# Altium PCB X3.PcbDoc (part 2 of 2)
Units mm, origin at the board's own origin, x right, y up, seen from the top; angles counter-clockwise.
Board outline 74 x 100 mm, 2 copper layers (Top Layer, Bottom Layer), stack 1.57 mm thick; 104 components, 68 nets, 474 pads, 147 vias.
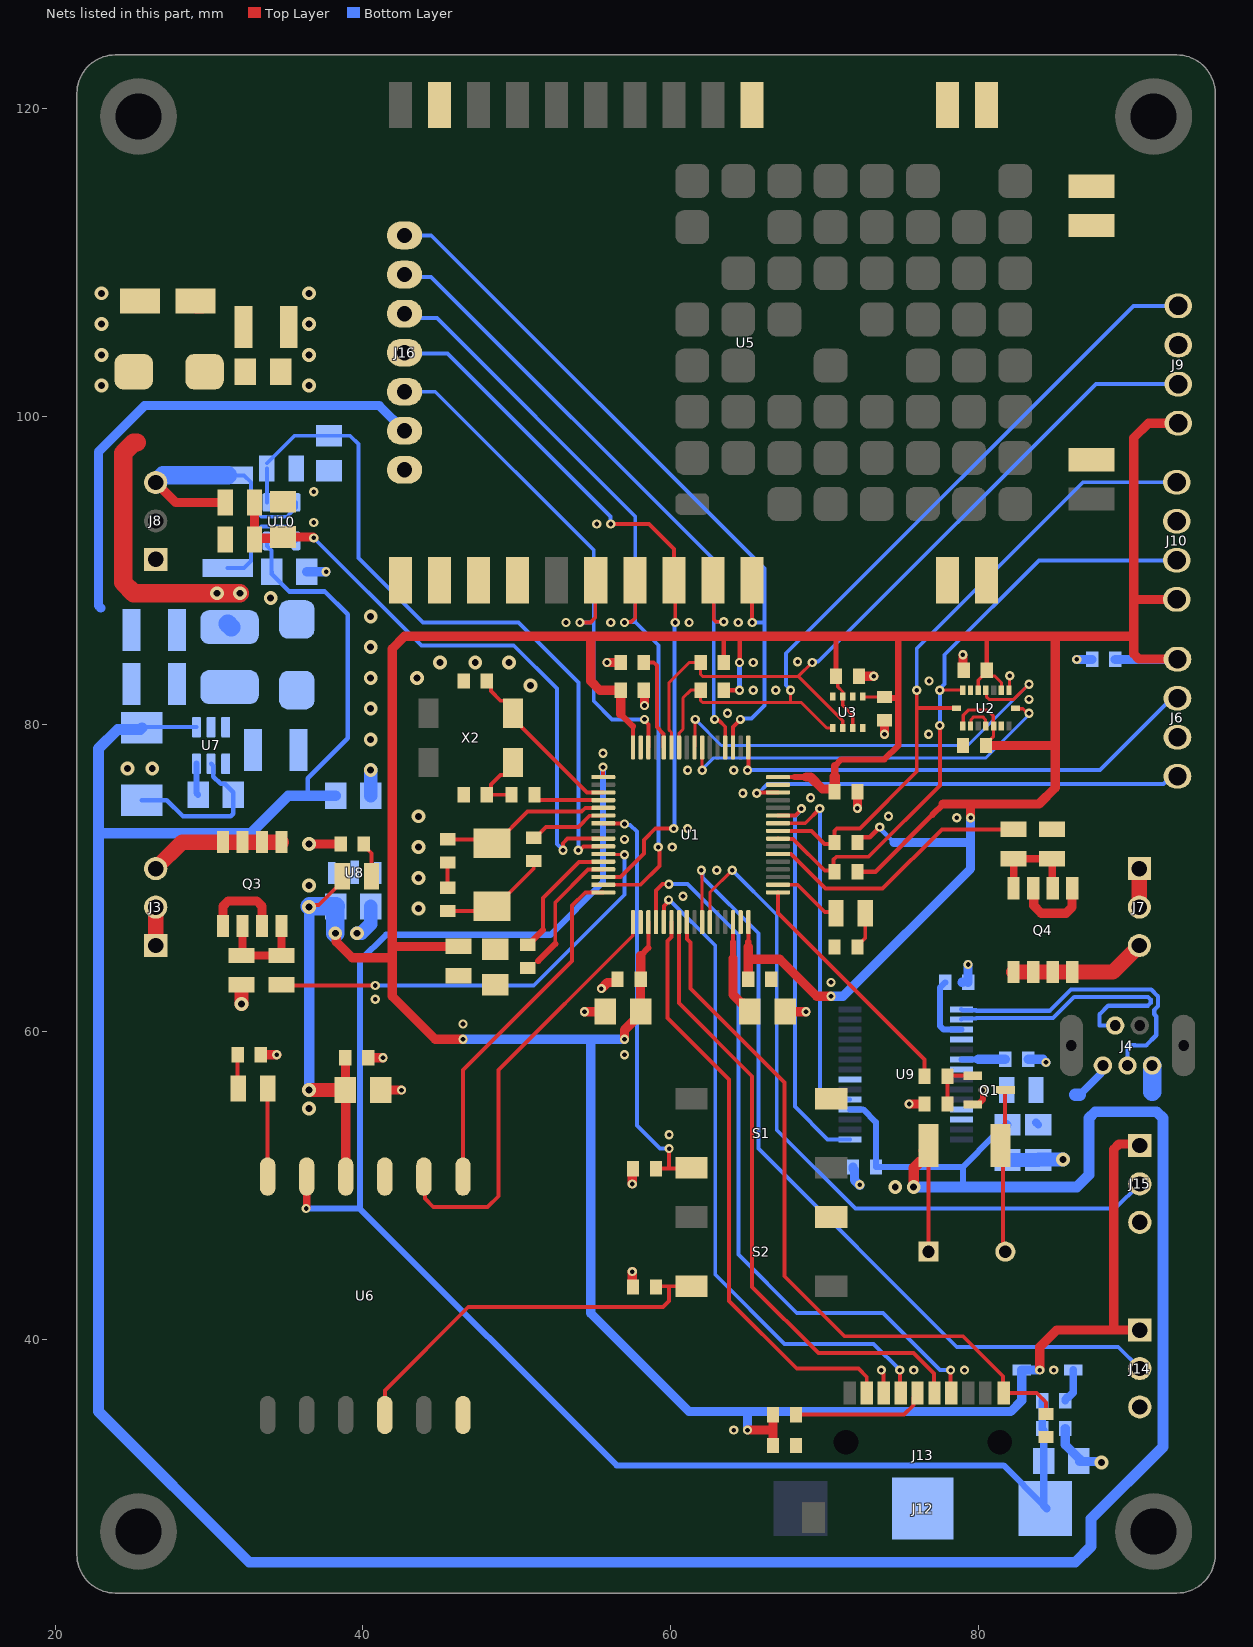
[diagram p2: the nets of this part, all layers, seen from the top]

## Part data
C1 C3 C7 C8 C9 C10 C11 C12 C13 C14 C15 C16 C24 C25 C26 C27 C28 C29 C32 C33 C34: library part "CAP 0603 50V", "Capacitor SMD 0603 50V"
C2 C19 C20 C21 C30 C31 C40 C41: library part "CAP 0805 50V", "Capacitor SMD 0805 50V"
C4 C5 C17 C22 C23 C35: library part "CAP 0805 25V", "Capacitor SMD 0805 25V"
C18: library part "CAP 1210 50V", "Capacitor SMD 1210 50V"
C36 C37 C39: library part "CAP 1210 25V", "Capacitor SMD 1210 25V"
C38: library part 865060653010, "Aluminum Electrolytic Capacitor, Polarized, Aluminum (wet), 50V, 20% +Tol, 20% -Tol, 100uF, Surface Mount, 3333", Manufacturer="Wurth Electronics", Category="Aluminum Electrolytic Capacitors", ComponentLink1Description=http://www.farnell.com/datasheets/1880078.pdf?src-supplier=Farnell, ComponentLink1URL=http://www.farnell.com/datasheets/1880078.pdf?src-supplier=Farnell, ComponentLink2Description=http://www.farnell.com/datasheets/1880078.pdf?src-supplier=Newark, ComponentLink2URL=http://www.farnell.com/datasheets/1880078.pdf?src-supplier=Newark, ComponentLink3Description=http://www.farnell.com/datasheets/1880078.pdf?src-supplier=Element14, ComponentLink3URL=http://www.farnell.com/datasheets/1880078.pdf?src-supplier=Element14, ComponentLink4Description=https://katalog.we-online.de/pbs/datasheet/865060653010.pdf?src-supplier=Digikey, ComponentLink4URL=https://katalog.we-online.de/pbs/datasheet/865060653010.pdf?src-supplier=Digikey, Manufacturer Part Number=865060653010, Pricing 1="1=0,825, 10=0,63, 50=0,551, 100=0,481, 200=0,427, 500=0,355, 2500=0,348, 5000=0,341 (EUR)", RoHS=Yes, Stock 1=176, Supplier 1=Farnell
D1: "LED 0805 BLUE SMD"
D2 D8: "TVS DIODE 14VWM 23.2VC DO214AA", Breakdown Voltage=15.6V, Case/Package=DO-214AA, Clamping Voltage=23.2V, Current=1mA, Leakage Current=1uA, Manufacturer=Littelfuse, Max Breakdown Voltage=17.2V, Max Operating Temperature=150°C, Max Power Dissipation=600W, Max Surge Current=25.9A, Min Operating Temperature=-65°C, Operating Supply Voltage=14V, Package Quantity=3000, Power Line Protection=No, Category="TVS Diodes", Clamping Voltage-Max=23.2V, ComponentLink1Description=https://datasheet.ciiva.com/331/littelfuse-tvs-diode-smbj-datasheet-pdf-331530.pdf?src-supplier=Digikey, ComponentLink1URL=https://datasheet.ciiva.com/331/littelfuse-tvs-diode-smbj-datasheet-pdf-331530.pdf?src-supplier=Digikey, ComponentLink2Description=https://datasheet.ciiva.com/331/littelfuse-tvs-diode-smbj-datasheet-pdf-331531.pdf?src-supplier=Digikey, ComponentLink2URL=https://datasheet.ciiva.com/331/littelfuse-tvs-diode-smbj-datasheet-pdf-331531.pdf?src-supplier=Digikey, ComponentLink3Description=https://datasheet.ciiva.com/331/littelfuse-tvs-diode-smbj-datasheet-pdf-331529.pdf?src-supplier=Digikey, ComponentLink3URL=https://datasheet.ciiva.com/331/littelfuse-tvs-diode-smbj-datasheet-pdf-331529.pdf?src-supplier=Digikey, Diode Type=ZENER, Direction=Bidirectional, Height=2.44mm, Lead Free="Lead Free", Length=5.59mm, Manufacturer Part Number=SMBJ14CA, Min Breakdown Voltage=15.6V, Mount="Surface Mount", Number of Bidirectional Channels=1, Number of Channels=1, Number of Elements=1, Number of Pins=2, Packaging="Tape and Reel", Peak Pulse Current=25.9A, Peak Pulse Power=600W, Polarity=Bidirectional, Power Dissipation=600W, Pricing 1="1=0,36, 15=0,29, 75=0,245, 300=0,205, 1500=0,163 (USD)", Reach SVHC Compliant=No, Reverse Breakdown Voltage=15.6V, Reverse Standoff Voltage=14V, RoHS=Yes, RoHS Compliant=Yes, Series=SMBJ, Stock 1=1300, Supplier 1="Future Electronics", Termination=SMD/SMT, Test Current=1mA, Voltage=14V, Voltage Rating (DC)=14V, Weight=0.00328oz, Width=3.94mm
D3 D4: "LED 0805 GREEN SMD"
D5: "Rectifier Diode Small Signal Schottky Si 80V 0.5A 2-Pin MELF T/R", Manufacturer=STMicroelectronics, Category="Rectifier Diodes", ComponentLink1Description=https://datasheet.ciiva.com/4715/cd00000809-92451-4715102.pdf?src-supplier=Mouser, ComponentLink1URL=https://datasheet.ciiva.com/4715/cd00000809-92451-4715102.pdf?src-supplier=Mouser, ComponentLink2Description=https://datasheet.ciiva.com/16988/0900766b80db299a-16988744.pdf?src-supplier=Allied+Electronics, ComponentLink2URL=https://datasheet.ciiva.com/16988/0900766b80db299a-16988744.pdf?src-supplier=Allied+Electronics, ComponentLink3Description=https://datasheet.ciiva.com/22697/1766334-22697011.pdf?src-supplier=Element14, ComponentLink3URL=https://datasheet.ciiva.com/22697/1766334-22697011.pdf?src-supplier=Element14, ComponentLink4Description=https://datasheet.ciiva.com/16501/cd00000809-16501349.pdf?src-supplier=Future+Electronics, ComponentLink4URL=https://datasheet.ciiva.com/16501/cd00000809-16501349.pdf?src-supplier=Future+Electronics, ComponentLink5Description=https://datasheet.ciiva.com/15144/getdatasheetpartid-39750-15144086.pdf?src-supplier=Verical, ComponentLink5URL=https://datasheet.ciiva.com/15144/getdatasheetpartid-39750-15144086.pdf?src-supplier=Verical, ComponentLink6Description=https://datasheet.ciiva.com/915/cd00000809-915819.pdf?src-supplier=Digikey, ComponentLink6URL=https://datasheet.ciiva.com/915/cd00000809-915819.pdf?src-supplier=Digikey, ComponentLink7Description=https://datasheet.ciiva.com/915/cd00000809-915820.pdf?src-supplier=Digikey, ComponentLink7URL=https://datasheet.ciiva.com/915/cd00000809-915820.pdf?src-supplier=Digikey, ComponentLink8Description=https://datasheet.ciiva.com/915/cd00000809-915821.pdf?src-supplier=Digikey, ComponentLink8URL=https://datasheet.ciiva.com/915/cd00000809-915821.pdf?src-supplier=Digikey, ComponentLink9Description=https://datasheet.ciiva.com/7622/1766334-7622348.pdf?src-supplier=Element14, ComponentLink9URL=https://datasheet.ciiva.com/7622/1766334-7622348.pdf?src-supplier=Element14, ComponentLink10Description=https://datasheet.ciiva.com/7964/cd00000809-7964118.pdf?src-supplier=Element14, ComponentLink10URL=https://datasheet.ciiva.com/7964/cd00000809-7964118.pdf?src-supplier=Element14, Manufacturer Part Number=TMBAT49FILM, Pricing 1="1=0,55, 10=0,468, 50=0,468, 100=0,326, 1000=0,228, 10000=0,159 (USD)", RoHS=Yes, Stock 1=11456, Supplier 1=Mouser
D7: "Rectifier Diode, Schottky, 1 Phase, 1 Element, 1A, 40V V(RRM), Silicon", Average Rectified Current=1A, Capacitance=50pF, Case/Package=SOD-123-2, Forward Voltage=450mV, Manufacturer=Diodes, Max Forward Surge Current (Ifsm)=25A, Max Operating Temperature=125°C, Max Power Dissipation=450mW, Max Repetitive Reverse Voltage (Vrrm)=40V, Max Reverse Current=50uA, Min Operating Temperature=-65°C, Package Quantity=3000, Category="Rectifier Diodes", ComponentLink1Description=https://datasheet.ciiva.com/27092/1538419-27092484.pdf?src-supplier=Jameco, ComponentLink1URL=https://datasheet.ciiva.com/27092/1538419-27092484.pdf?src-supplier=Jameco, ComponentLink2Description=https://datasheet.ciiva.com/16303/ds30217-16303296.pdf?src-supplier=Future+Electronics, ComponentLink2URL=https://datasheet.ciiva.com/16303/ds30217-16303296.pdf?src-supplier=Future+Electronics, ComponentLink3Description=https://datasheet.ciiva.com/1177/ds30217-1177089.pdf?src-supplier=Element14, ComponentLink3URL=https://datasheet.ciiva.com/1177/ds30217-1177089.pdf?src-supplier=Element14, ComponentLink4Description=https://datasheet.ciiva.com/8303/ds30217-8303132.pdf?src-supplier=Avnet, ComponentLink4URL=https://datasheet.ciiva.com/8303/ds30217-8303132.pdf?src-supplier=Avnet, ComponentLink5Description=https://datasheet.ciiva.com/912/ds30217-912802.pdf?src-supplier=Digikey, ComponentLink5URL=https://datasheet.ciiva.com/912/ds30217-912802.pdf?src-supplier=Digikey, ComponentLink6Description=https://datasheet.ciiva.com/912/ds30217-912803.pdf?src-supplier=Digikey, ComponentLink6URL=https://datasheet.ciiva.com/912/ds30217-912803.pdf?src-supplier=Digikey, ComponentLink7Description=https://datasheet.ciiva.com/912/ds30217-912801.pdf?src-supplier=Digikey, ComponentLink7URL=https://datasheet.ciiva.com/912/ds30217-912801.pdf?src-supplier=Digikey, Current Rating=1A, Forward Current=1A, Height=1.25mm, Lead Free="Lead Free", Length=2.85mm, Manufacturer Part Number=1N5819HW-7-F, Max Reverse Voltage (DC)=40V, Number of Pins=2, Output Current=1A, Packaging="Tape and Reel", Peak Non-Repetitive Surge Current=25A, Polarity=Standard, Pricing 1="3000=0,0409, 9000=0,0394, 15000=0,0388, 60000=0,037, 90000=0,0358 (USD)", Radiation Hardening=No, Reach SVHC Compliant=No, Reverse Voltage=40V, RoHS=Yes, RoHS Compliant=Yes, Series=-, Stock 1=5079000, Supplier 1="Future Electronics", Termination=SMD/SMT, Voltage Rating (DC)=40V, Weight=0.000353oz, Width=1.7mm
F1: "PTC Resettable Fuse 0.75A(hold) 1.5A(trip) 24V 40A 0.8W 0.2s 0.11Ohm SMD Solder Pad 1812 T/R Automotive", Manufacturer=Bourns, Category=Fuses, ComponentLink1Description=https://datasheet.ciiva.com/27091/1164226-27091560.pdf?src-supplier=Jameco, ComponentLink1URL=https://datasheet.ciiva.com/27091/1164226-27091560.pdf?src-supplier=Jameco, ComponentLink2Description=https://datasheet.ciiva.com/326/mfmsmf-326789.pdf?src-supplier=Digikey, ComponentLink2URL=https://datasheet.ciiva.com/326/mfmsmf-326789.pdf?src-supplier=Digikey, ComponentLink3Description=https://datasheet.ciiva.com/326/mfmsmf-326790.pdf?src-supplier=Digikey, ComponentLink3URL=https://datasheet.ciiva.com/326/mfmsmf-326790.pdf?src-supplier=Digikey, ComponentLink4Description=https://datasheet.ciiva.com/326/mfmsmf-326791.pdf?src-supplier=Digikey, ComponentLink4URL=https://datasheet.ciiva.com/326/mfmsmf-326791.pdf?src-supplier=Digikey, ComponentLink5Description=https://datasheet.ciiva.com/3019/mfmsmf-3019624.pdf?src-supplier=Avnet, ComponentLink5URL=https://datasheet.ciiva.com/3019/mfmsmf-3019624.pdf?src-supplier=Avnet, ComponentLink6Description=https://datasheet.ciiva.com/3019/mfmsmf-3019625.pdf?src-supplier=Avnet, ComponentLink6URL=https://datasheet.ciiva.com/3019/mfmsmf-3019625.pdf?src-supplier=Avnet, ComponentLink7Description=https://datasheet.ciiva.com/30254/575mfmsmf-30254266.pdf?src-supplier=Onlinecomponents.com, ComponentLink7URL=https://datasheet.ciiva.com/30254/575mfmsmf-30254266.pdf?src-supplier=Onlinecomponents.com, ComponentLink8Description=https://datasheet.ciiva.com/16205/mfmsmf-16205996.pdf?src-supplier=Onlinecomponents.com, ComponentLink8URL=https://datasheet.ciiva.com/16205/mfmsmf-16205996.pdf?src-supplier=Onlinecomponents.com, ComponentLink9Description=https://datasheet.ciiva.com/14539/70153434-14539177.pdf?src-supplier=Allied+Electronics, ComponentLink9URL=https://datasheet.ciiva.com/14539/70153434-14539177.pdf?src-supplier=Allied+Electronics, ComponentLink10Description=https://datasheet.ciiva.com/1228/1786007-1228156.pdf?src-supplier=Newark, ComponentLink10URL=https://datasheet.ciiva.com/1228/1786007-1228156.pdf?src-supplier=Newark, ComponentLink11Description=https://datasheet.ciiva.com/1274/1786007-1274502.pdf?src-supplier=Element14, ComponentLink11URL=https://datasheet.ciiva.com/1274/1786007-1274502.pdf?src-supplier=Element14, ComponentLink12Description=https://datasheet.ciiva.com/1274/1786007-1274503.pdf?src-supplier=Element14, ComponentLink12URL=https://datasheet.ciiva.com/1274/1786007-1274503.pdf?src-supplier=Element14, Lead Free=5697LeadFree, Manufacturer Part Number=MF-MSMF075/24-2, Pricing 1="4000=0,2686 (USD)", RoHS=Yes, Stock 1=88000, Supplier 1="Arrow Electronics"
FB1 FB2: library part "FB 0805", "Ferrite Bead SMD 0805"
FB3: library part "FB 0603", "Ferrite Bead SMD 0603"
J3 J7 J8 J14 J15: "Connector Header, XH Series, 3 Position, 2.50mm, Through Hole, Press-Fit, Solder, Natural", Manufacturer=JST, Manufacturer Part Number=B3B-XH-A(LF)(SN), Category="Headers and Wire Housings", ComponentLink1Description=https://datasheet.ciiva.com/26894/getdatasheetpartid-640434-26894454.pdf?src-supplier=Verical, ComponentLink1URL=https://datasheet.ciiva.com/26894/getdatasheetpartid-640434-26894454.pdf?src-supplier=Verical, ComponentLink2Description=https://datasheet.ciiva.com/26894/getdatasheetpartid-440399-26894778.pdf?src-supplier=Verical, ComponentLink2URL=https://datasheet.ciiva.com/26894/getdatasheetpartid-440399-26894778.pdf?src-supplier=Verical, ComponentLink3Description=https://datasheet.ciiva.com/11746/0900766b8082653f-11746520.pdf?src-supplier=Rs, ComponentLink3URL=https://datasheet.ciiva.com/11746/0900766b8082653f-11746520.pdf?src-supplier=Rs, Pricing 1="1=39,94, 10=25,1, 50=21,68, 100=18,25, 500=17,57, 1000=17,12, 2000=16,44, 4000=15,79 (JPY)", RoHS=Yes, Stock 1=2101, Supplier 1=CoreStaff
J4: "Conn Mini USB 2.0 Type B RCP 5 POS 0.8mm Solder ST Thru-Hole 5 Terminal 1 Port", Manufacturer="Amphenol Commercial", Category="USB Connectors", ComponentLink1Description=http://www.alliedelec.com/m/d/e7e3d7a920045eebbdef787e60d8b001.pdf?src-supplier=Allied+Electronics, ComponentLink1URL=http://www.alliedelec.com/m/d/e7e3d7a920045eebbdef787e60d8b001.pdf?src-supplier=Allied+Electronics, ComponentLink2Description=https://www.amphenolcanada.com/ProductSearch/drawings/AC/UE25BEX510X.pdf?src-supplier=Digi-Key, ComponentLink2URL=https://www.amphenolcanada.com/ProductSearch/drawings/AC/UE25BEX510X.pdf?src-supplier=Digi-Key, ComponentLink3Description=https://datasheet.octopart.com/UE25-BE55-10H-Amphenol-datasheet-14681365.pdf?src-supplier=Future+Electronics, ComponentLink3URL=https://datasheet.octopart.com/UE25-BE55-10H-Amphenol-datasheet-14681365.pdf?src-supplier=Future+Electronics, ComponentLink4Description=https://datasheet.octopart.com/UE25BE5510H-Amphenol-Communications-Solutions-datasheet-62282189.pdf?src-supplier=Electro+Sonic, ComponentLink4URL=https://datasheet.octopart.com/UE25BE5510H-Amphenol-Communications-Solutions-datasheet-62282189.pdf?src-supplier=Electro+Sonic, Manufacturer Part Number=UE25BE5510H, Pricing 1="1=0,4693, 10=0,4507, 25=0,4468, 50=0,4303, 100=0,4157 (USD)", RoHS=Yes, Stock 1=16852, Supplier 1="Arrow Electronics", Supplier Part Number 1=UE25BE5510H
J12: "Battery Holder, Coin Cell, 1225, Smd Rohs Compliant: Yes", Manufacturer=Harwin, Category=Connectors, ComponentLink1Description=https://datasheet.ciiva.com/4/s8201r-4048.pdf?src-supplier=Digikey, ComponentLink1URL=https://datasheet.ciiva.com/4/s8201r-4048.pdf?src-supplier=Digikey, ComponentLink2Description=https://datasheet.ciiva.com/4642/c0430120-20coin20cell20battery20retainers-55143-4642583.pdf?src-supplier=Mouser, ComponentLink2URL=https://datasheet.ciiva.com/4642/c0430120-20coin20cell20battery20retainers-55143-4642583.pdf?src-supplier=Mouser, ComponentLink3Description=https://datasheet.ciiva.com/1391/1458706-1391064.pdf?src-supplier=Element14, ComponentLink3URL=https://datasheet.ciiva.com/1391/1458706-1391064.pdf?src-supplier=Element14, ComponentLink4Description=https://datasheet.ciiva.com/4/s8201r-4049.pdf?src-supplier=Digikey, ComponentLink4URL=https://datasheet.ciiva.com/4/s8201r-4049.pdf?src-supplier=Digikey, Contact Material=153,154ConductorMaterial, Height=3.25mm, Manufacturer Part Number=S8201-46R, Number of Contacts=2NUMBER, Pricing 1="1=0,926, 25=0,765, 75=0,589, 200=0,555, 500=0,48 (EUR)", RoHS=Yes, Stock 1=4494, Supplier 1=Farnell
J13: "Micro SD Card Push-Pull 10P (8+2), Switch, Peg, SMD 112I-TA01"
J16: "E220-400T30D LoRa Module Header"
L1: library part IHLP2020CZER4R7M11, "Inductor Power Shielded Wirewound 4.7uH 20% 100KHz Powdered Iron 4.5A 60mOhm DCR 2020 T/R", Manufacturer=Vishay, Category="Fixed Inductors", ComponentLink1Description=https://datasheet.ciiva.com/14803/lp20cz11-14803040.pdf?src-supplier=Arrow+Electronics, ComponentLink1URL=https://datasheet.ciiva.com/14803/lp20cz11-14803040.pdf?src-supplier=Arrow+Electronics, ComponentLink2Description=https://datasheet.ciiva.com/11798/0900766b8102c930-11798346.pdf?src-supplier=Rs, ComponentLink2URL=https://datasheet.ciiva.com/11798/0900766b8102c930-11798346.pdf?src-supplier=Rs, ComponentLink3Description=https://datasheet.ciiva.com/22694/480942-22694470.pdf?src-supplier=Element14, ComponentLink3URL=https://datasheet.ciiva.com/22694/480942-22694470.pdf?src-supplier=Element14, ComponentLink4Description=https://datasheet.ciiva.com/8017/480942-8017228.pdf?src-supplier=Element14, ComponentLink4URL=https://datasheet.ciiva.com/8017/480942-8017228.pdf?src-supplier=Element14, ComponentLink5Description=https://datasheet.ciiva.com/8494/lp20cz11-8494950.pdf?src-supplier=Avnet, ComponentLink5URL=https://datasheet.ciiva.com/8494/lp20cz11-8494950.pdf?src-supplier=Avnet, ComponentLink6Description=https://datasheet.ciiva.com/17112/70205433-17112327.pdf?src-supplier=Allied+Electronics, ComponentLink6URL=https://datasheet.ciiva.com/17112/70205433-17112327.pdf?src-supplier=Allied+Electronics, ComponentLink7Description=https://datasheet.ciiva.com/6688/lp20cz11-6688326.pdf?src-supplier=Digikey, ComponentLink7URL=https://datasheet.ciiva.com/6688/lp20cz11-6688326.pdf?src-supplier=Digikey, ComponentLink8Description=https://datasheet.ciiva.com/6688/lp20cz11-6688327.pdf?src-supplier=Digikey, ComponentLink8URL=https://datasheet.ciiva.com/6688/lp20cz11-6688327.pdf?src-supplier=Digikey, ComponentLink9Description=https://datasheet.ciiva.com/6688/lp20cz11-6688329.pdf?src-supplier=Digikey, ComponentLink9URL=https://datasheet.ciiva.com/6688/lp20cz11-6688329.pdf?src-supplier=Digikey, Manufacturer Part Number=IHLP2020CZER4R7M11, Pricing 1="1=1,19, 10=1,02, 50=1,02, 100=0,828, 1000=0,828, 10000=0,473 (USD)", RoHS=No, Stock 1=10031, Supplier 1=Mouser
Q1: "BC817 Series 45 V 500 mA NPN General Purpose Transistor - SOT-23", Manufacturer=Nexperia, Supplier Part Number 1=5067352, Category=BJTs, ComponentLink1Description=https://datasheet.octopart.com/BC817-25W%2C115-NXP-datasheet-29749.pdf?src-supplier=Future+Electronics, ComponentLink1URL=https://datasheet.octopart.com/BC817-25W%2C115-NXP-datasheet-29749.pdf?src-supplier=Future+Electronics, ComponentLink2Description=http://www.farnell.com/datasheets/699988.pdf?src-supplier=Newark, ComponentLink2URL=http://www.farnell.com/datasheets/699988.pdf?src-supplier=Newark, ComponentLink3Description=https://datasheet.octopart.com/BC817-25W%2C115-Nexperia-datasheet-155782301.pdf?src-supplier=TME, ComponentLink3URL=https://datasheet.octopart.com/BC817-25W%2C115-Nexperia-datasheet-155782301.pdf?src-supplier=TME, Manufacturer Part Number=BC817-25W,115, Pricing 1="3000=0,0169, 12000=0,0162, 45000=0,0155, 90000=0,0152, 225000=0,0144 (USD)", RoHS=Yes, Stock 1=99000, Supplier 1="Future Electronics"
Q3 Q4: "Dual N-Channel Logic Level PWM Optimized PowerTrench® MOSFET 20V, 7.5A, 18mΩ", Manufacturer="ON Semiconductor / Fairchild", Category=MOSFETs, ComponentLink1Description=https://datasheet.ciiva.com/15137/getdatasheetpartid-60185-15137252.pdf?src-supplier=Verical, ComponentLink1URL=https://datasheet.ciiva.com/15137/getdatasheetpartid-60185-15137252.pdf?src-supplier=Verical, ComponentLink2Description=https://datasheet.ciiva.com/8114/fds6892a-8114609.pdf?src-supplier=Avnet, ComponentLink2URL=https://datasheet.ciiva.com/8114/fds6892a-8114609.pdf?src-supplier=Avnet, ComponentLink3Description=https://datasheet.ciiva.com/6076/89392-6076006.pdf?src-supplier=Farnell, ComponentLink3URL=https://datasheet.ciiva.com/6076/89392-6076006.pdf?src-supplier=Farnell, ComponentLink4Description=https://datasheet.ciiva.com/4442/fds6892a-108922-4442276.pdf?src-supplier=Mouser, ComponentLink4URL=https://datasheet.ciiva.com/4442/fds6892a-108922-4442276.pdf?src-supplier=Mouser, ComponentLink5Description=https://datasheet.ciiva.com/16777/fds6892a-16777782.pdf?src-supplier=Future+Electronics, ComponentLink5URL=https://datasheet.ciiva.com/16777/fds6892a-16777782.pdf?src-supplier=Future+Electronics, ComponentLink6Description=https://datasheet.ciiva.com/6386/fds6892a-6386538.pdf?src-supplier=Digikey, ComponentLink6URL=https://datasheet.ciiva.com/6386/fds6892a-6386538.pdf?src-supplier=Digikey, Manufacturer Part Number=FDS6892A, Pricing 1="1=0,4552, 539=0,4077 (USD)", RoHS=Yes, Stock 1=45, Supplier 1="Arrow Electronics"
R1 R2 R3 R4 R5 R6 R7 R8 R9 R12 R14 R17 R23 R24 R25: library part "RES 0603", "Resistor SMD 0603"
R13: "Res, 0R1, 1%, 3W, Metal Strip, SMD Rohs Compliant: Yes", Manufacturer="TE Connectivity", Category="Chip SMD Resistors", Manufacturer Part Number=TLRP3A30DR100FTE, Pricing 1="10=0,393, 100=0,273, 500=0,221, 1000=0,179, 2000=0,177, 4000=0,166, 20000=0,163, 40000=0,159 (EUR)", RoHS=No, Stock 1=1580, Supplier 1=Farnell
R15 R16 R18 R19 R20 R21 R22: library part "RES 0805", "Resistor SMD 0805"
S1 S2: "Switch Tactile OFF (ON) SPST Round Button Gull Wing 0.05A 24VDC 1.57N SMD T/R", Manufacturer="TE Connectivity Alcoswitch", Category="Pushbutton Switches", ComponentLink1Description=https://datasheet.ciiva.com/16320/eng-cs-1308111-1-switches-core-program-catalog-0308-16320065.pdf?src-supplier=Future+Electronics, ComponentLink1URL=https://datasheet.ciiva.com/16320/eng-cs-1308111-1-switches-core-program-catalog-0308-16320065.pdf?src-supplier=Future+Electronics, ComponentLink2Description=https://datasheet.ciiva.com/1530/1683375-1530944.pdf?src-supplier=Element14, ComponentLink2URL=https://datasheet.ciiva.com/1530/1683375-1530944.pdf?src-supplier=Element14, ComponentLink3Description=https://datasheet.ciiva.com/23765/1486934-23765878.pdf?src-supplier=Newark, ComponentLink3URL=https://datasheet.ciiva.com/23765/1486934-23765878.pdf?src-supplier=Newark, ComponentLink4Description=https://datasheet.ciiva.com/7638/921681-7638037.pdf?src-supplier=Element14, ComponentLink4URL=https://datasheet.ciiva.com/7638/921681-7638037.pdf?src-supplier=Element14, Manufacturer Part Number=FSM4JSMATR, Pricing 1="1=0,36, 10=0,351, 25=0,33, 100=0,2866, 250=0,26, 500=0,24188 (USD)", RoHS=Yes, Stock 1=84996, Supplier 1=Digi-Key
U1: "ARM® Cortex®-M4 STM32 F4 Microcontroller IC 32-Bit 180MHz 512KB (512K x 8) FLASH 64-LQFP (10x10)", Manufacturer=STMicroelectronics, Category=Microcontrollers, ComponentLink1Description=http://www.mouser.com/ds/2/389/stm32f446mc-956216.pdf?src-supplier=Mouser, ComponentLink1URL=http://www.mouser.com/ds/2/389/stm32f446mc-956216.pdf?src-supplier=Mouser, ComponentLink2Description=http://www.farnell.com/datasheets/2309063.pdf?src-supplier=Farnell, ComponentLink2URL=http://www.farnell.com/datasheets/2309063.pdf?src-supplier=Farnell, ComponentLink3Description=https://datasheet.octopart.com/STM32F446RET6-STMicroelectronics-datasheet-58295083.pdf?src-supplier=Future+Electronics, ComponentLink3URL=https://datasheet.octopart.com/STM32F446RET6-STMicroelectronics-datasheet-58295083.pdf?src-supplier=Future+Electronics, ComponentLink4Description=http://www.st.com/content/ccc/resource/technical/document/datasheet/65/cb/75/50/53/d6/48/24/DM00141306.pdf/files/DM00141306.pdf/jcr:content/translations/en.DM00141306.pdf?src-supplier=Digi-Key, ComponentLink4URL=http://www.st.com/content/ccc/resource/technical/document/datasheet/65/cb/75/50/53/d6/48/24/DM00141306.pdf/files/DM00141306.pdf/jcr:content/translations/en.DM00141306.pdf?src-supplier=Digi-Key, ComponentLink5Description=http://www.farnell.com/datasheets/2309063.pdf?src-supplier=Element14, ComponentLink5URL=http://www.farnell.com/datasheets/2309063.pdf?src-supplier=Element14, ComponentLink6Description=https://datasheet.octopart.com/STM32F446RET6-STMicroelectronics-datasheet-41797127.pdf?src-supplier=Element14, ComponentLink6URL=https://datasheet.octopart.com/STM32F446RET6-STMicroelectronics-datasheet-41797127.pdf?src-supplier=Element14, ComponentLink7Description=http://www.farnell.com/datasheets/2309063.pdf?src-supplier=Newark, ComponentLink7URL=http://www.farnell.com/datasheets/2309063.pdf?src-supplier=Newark, ComponentLink8Description=https://datasheet.octopart.com/STM32F446RET6-STMicroelectronics-datasheet-83961502.pdf?src-supplier=SHENGYU+ELECTRONICS, ComponentLink8URL=https://datasheet.octopart.com/STM32F446RET6-STMicroelectronics-datasheet-83961502.pdf?src-supplier=SHENGYU+ELECTRONICS, Manufacturer Part Number=STM32F446RET6, Pricing 1="1=12,45, 10=11,25, 50=10,54, 100=9,5, 1000=6,72, 10000=6,72 (USD)", RoHS=Yes, Stock 1=2954, Supplier 1=Mouser
U2: "BMI088 Series 3.6 V 6 Axis Digital Output Accelerometer Motion Sensor - LGA-16", Manufacturer="Bosch Tools", Category="Inertial Measurement Units (IMUs)", ComponentLink1Description=https://ae-bst.resource.bosch.com/media/_tech/media/product_flyer/Bosch_Sensortec_Product_flyer_BMI088.pdf?src-supplier=Digi-Key, ComponentLink1URL=https://ae-bst.resource.bosch.com/media/_tech/media/product_flyer/Bosch_Sensortec_Product_flyer_BMI088.pdf?src-supplier=Digi-Key, ComponentLink2Description=https://ae-bst.resource.bosch.com/media/_tech/media/application_notes/BST-MIS-HS001.pdf?src-supplier=Digi-Key, ComponentLink2URL=https://ae-bst.resource.bosch.com/media/_tech/media/application_notes/BST-MIS-HS001.pdf?src-supplier=Digi-Key, Manufacturer Part Number=BMI088, Pricing 1="1=3,4884, 10=3,3155, 25=3,2816, 50=3,2477, 100=3,2147, 500=3,1828 (USD)", RoHS=No, Stock 1=2228, Supplier 1="Arrow Electronics"
U3: "SENSOR PRESSURE HUMIDITY TEMP", Case/Package=LGA, Manufacturer=Bosch, Max Operating Temperature=85°C, Min Operating Temperature=-40°C, Accuracy=3%, Category="Temperature and Humidity Sensors", ComponentLink1Description=https://ae-bst.resource.bosch.com/media/_tech/media/datasheets/BST-BME280-DS002.pdf?src-supplier=Digi-Key, ComponentLink1URL=https://ae-bst.resource.bosch.com/media/_tech/media/datasheets/BST-BME280-DS002.pdf?src-supplier=Digi-Key, ComponentLink2Description=https://ae-bst.resource.bosch.com/media/_tech/media/product_flyer/BME280_Productflyer_BST_20170109.pdf?src-supplier=Mouser, ComponentLink2URL=https://ae-bst.resource.bosch.com/media/_tech/media/product_flyer/BME280_Productflyer_BST_20170109.pdf?src-supplier=Mouser, ComponentLink3Description=https://ae-bst.resource.bosch.com/media/_tech/media/product_flyer/BME280_Productflyer_BST_20170109.pdf?src-supplier=Arrow+Electronics, ComponentLink3URL=https://ae-bst.resource.bosch.com/media/_tech/media/product_flyer/BME280_Productflyer_BST_20170109.pdf?src-supplier=Arrow+Electronics, ComponentLink4Description=https://ae-bst.resource.bosch.com/media/_tech/media/product_flyer/BME280_Productflyer_BST_20170109.pdf?src-supplier=NAC+Semi, ComponentLink4URL=https://ae-bst.resource.bosch.com/media/_tech/media/product_flyer/BME280_Productflyer_BST_20170109.pdf?src-supplier=NAC+Semi, Lead Free="Lead Free", Manufacturer Part Number=BME280, Mount="Surface Mount", Number of Pins=8, Output Type=SPI,I2C, Packaging="Cut Tape", Pricing 1="1=6,1, 20=5,53, 150=5,14, 1000=4,78, 5000=4,48 (USD)", Response Time=1s, RoHS=No, Sensor Type=Temperature, Stock 1=5185, Supplier 1="Future Electronics"
U4: "BUZZER MAGNETIC WITH CIRCUIT 3V 2.7-KHZ THT"
U5: "E22-400T37S LoRa Module"
U7: "AP63205 Series 32 V 2 A 1.1 MHz Synchronous Buck Converter -TSOT-26", Manufacturer=Diodes, Max Operating Temperature=85°C, Max Supply Voltage=32V, Min Operating Temperature=-40°C, Min Supply Voltage=3.8V, Nominal Supply Current=22uA, Output Current=2A, Output Voltage=5V, Switching Frequency=1.1MHz, Category="Voltage Regulators - Switching", ComponentLink1Description=https://www.diodes.com/assets/Datasheets/AP63200-AP63201-AP63203-AP63205.pdf?src-supplier=Digikey, ComponentLink1URL=https://www.diodes.com/assets/Datasheets/AP63200-AP63201-AP63203-AP63205.pdf?src-supplier=Digikey, Height=1mm, Manufacturer Part Number=AP63205WU-7, Max Duty Cycle=100%, Number of Outputs=1NUMBER, Pricing 1="3000=0,33, 6000=0,32 (USD)", RoHS=Yes, Stock 1=45000, Supplier 1="Future Electronics"
U8: "LDO Regulator Pos 3.3V 0.25A Automotive 4-Pin(3+Tab) SOT-89 T/R", Case/Package=SOT-89, Dropout Voltage=525mV, Manufacturer=Microchip, Max Operating Temperature=125°C, Max Output Current=250mA, Max Output Voltage=3.3V, Max Supply Voltage=13.2V, Min Operating Temperature=-40°C, Min Supply Voltage=2.7V, Output Voltage Accuracy=2%, Package Quantity=1000, Quiescent Current=5uA, Input Bias Current=2uA, Accuracy=2%, Category="Voltage Regulators - Linear", Height=1.6mm, Lead Free="Lead Free", Length=4.6mm, Manufacturer Part Number=MCP1702T-3302E/MB, Max Input Voltage=13.2V, Min Output Voltage=3.3V, Min Input Voltage=2.7V, Mount="Surface Mount", Nominal Output Voltage=3.3V, Number of Outputs=1, Number of Pins=3, Number of Regulators=1, Output Current=250mA, Output Type=Fixed, Output Voltage=3.3V, Packaging="Tape and Reel", Polarity=Positive, Pricing 1="1000=0,4964 (USD)", Reach SVHC Compliant=No, RoHS=Yes, RoHS Compliant=Yes, Stock 1=26000, Supplier 1="Arrow Electronics", Supply Current=5uA, Termination=SMD/SMT, Width=2.29mm
U9: "IC USB FS SERIAL UART 28-SSOP", Case/Package=SSOP, Manufacturer=FTDI, Max Operating Temperature=85°C, Max Supply Voltage=5.25V, Min Operating Temperature=-40°C, Min Supply Voltage=3.3V, Operating Supply Current=15mA, Package Quantity=1, Voltage=5V, Category="Interface ICs", ComponentLink1Description=https://datasheet.ciiva.com/34304/2161019-34304054.pdf?src-supplier=Jameco, ComponentLink1URL=https://datasheet.ciiva.com/34304/2161019-34304054.pdf?src-supplier=Jameco, ComponentLink2Description=https://datasheet.ciiva.com/4787/ds-ft232r-11534-4787658.pdf?src-supplier=Mouser, ComponentLink2URL=https://datasheet.ciiva.com/4787/ds-ft232r-11534-4787658.pdf?src-supplier=Mouser, ComponentLink3Description=https://datasheet.ciiva.com/1787/ds-ft232r-1787048.pdf?src-supplier=Digikey, ComponentLink3URL=https://datasheet.ciiva.com/1787/ds-ft232r-1787048.pdf?src-supplier=Digikey, ComponentLink4Description=https://datasheet.ciiva.com/1787/ds-ft232r-1787047.pdf?src-supplier=Digikey, ComponentLink4URL=https://datasheet.ciiva.com/1787/ds-ft232r-1787047.pdf?src-supplier=Digikey, ComponentLink5Description=https://datasheet.ciiva.com/1787/ds-ft232r-1787049.pdf?src-supplier=Digikey, ComponentLink5URL=https://datasheet.ciiva.com/1787/ds-ft232r-1787049.pdf?src-supplier=Digikey, ComponentLink6Description=https://datasheet.ciiva.com/16200/ds-ft232r-16200652.pdf?src-supplier=Future+Electronics, ComponentLink6URL=https://datasheet.ciiva.com/16200/ds-ft232r-16200652.pdf?src-supplier=Future+Electronics, ComponentLink7Description=https://datasheet.ciiva.com/15150/getdatasheetpartid-643207-15150506.pdf?src-supplier=Verical, ComponentLink7URL=https://datasheet.ciiva.com/15150/getdatasheetpartid-643207-15150506.pdf?src-supplier=Verical, Data Rate=12Mbps, Height=1.75mm, Lead Free="Lead Free", Length=10.2mm, Manufacturer Part Number=FT232RL-REEL, Mount="Surface Mount", Number of Channels=1, Number of Pins=28, Number of Transceivers=1, Packaging="Tape and Reel", Pricing 1="1=4,75, 10=4,3, 50=4,1 (USD)", Radiation Hardening=No, Reach SVHC Compliant=No, RoHS=Yes, RoHS Compliant=Yes, Series=USBmadeEZ-UART, Stock 1=3812, Supplier 1="Arrow Electronics", Weight=0.080001oz, Width=5.3mm, Interface=UART,RS-232,RS-422,RS-485